# KiCad board ESP32LaserScanner.kicad_pcb
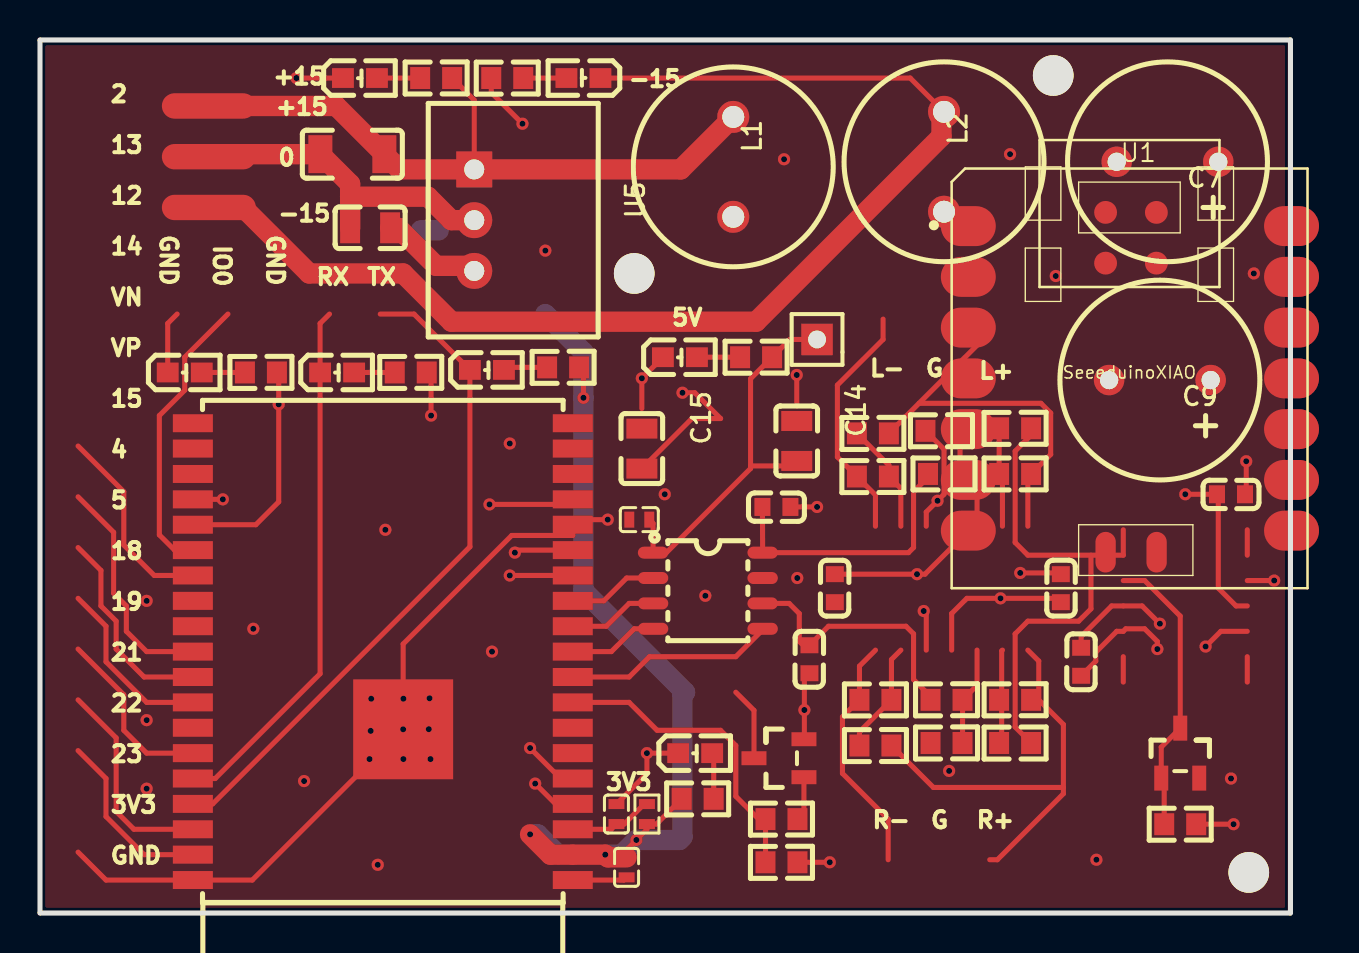
[diagram p0: board, top side]
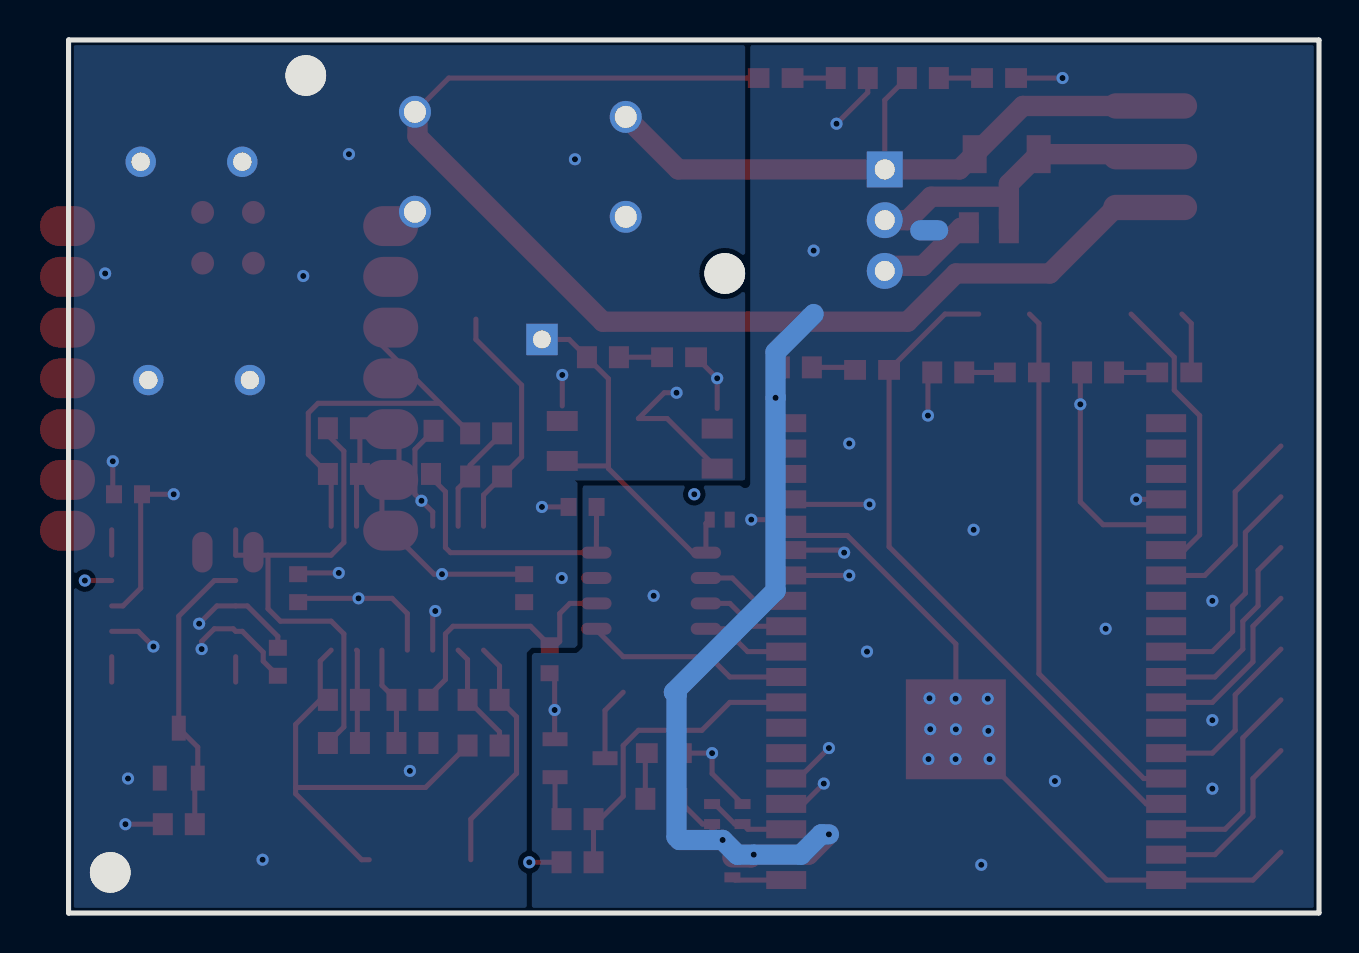
[diagram p1: board, bottom side, seen from below]

Outline 62.53 x 43.69 mm; copper layers: TopLayer, Inner1, Inner2, BottomLayer. Coordinates in mm from the lower left corner of the outline.
Outline path: 0,43.69 62.53,43.69 62.53,0 0,0 0,43.69

## Placement (name value [footprint] x y rotation side)
C1  100nF  [C0402]  29.97 19.69 0 top
C2  100nF  [C0603]  52.07 12.57 90 top
C5  1uF  [C0603]  38.48 12.7 90 top
C6  1uF  [C0603]  36.83 20.32 180 top
C7  1000u  [CAP-D10.0×F5.0]  56.39 37.59 180 top
C8  100nF  [C0603]  59.56 20.95 180 top
C9  1000u  [CAP-D10.0×F5.0]  56.01 26.67 180 top
C10  100nF  [C0402]  28.83 4.95 270 top
C11  10uF  [C0402]  29.34 2.29 270 top
C12  22uF  [C0805]  16.51 34.29 0 top
C13  100nF  [C0603]  51.05 16.26 270 top
C14  10uF  [C0805]  37.85 23.62 270 top
C15  10uF  [C0805]  30.1 23.24 270 top
C17  100nF  [C0603]  39.75 16.26 90 top
C18  10uF  [C1206]  15.62 37.97 0 top
Hole_gge7226  -  [Hole_gge7226]  60.45 2.03 0 top
Hole_gge7231  -  [Hole_gge7231]  50.67 41.91 0 top
Hole_gge7236  -  [Hole_gge7236]  29.72 32 0 top
J2  HDR-M-2.54_1x1  [HDR-M-2.54_1X1]  38.86 28.7 0 top
L1  10m  [IND-TH_BD10.0-P5.00-D0.7]  34.67 37.34 270 top
L2  10m  [IND-TH_BD10.0-P5.00-D0.7]  45.21 37.59 270 top
LED_2  19-213/Y2C-CQ2R2L/3T(CY)  [LED0603-R-RD]  7.24 27.05 0 top
LED_5  19-213/Y2C-CQ2R2L/3T(CY)  [LED0603-R-RD]  32 27.81 0 top
LED_15  19-213/Y2C-CQ2R2L/3T(CY)  [LED0603-R-RD]  16 41.78 0 top
LED_33  19-213/Y2C-CQ2R2L/3T(CY)  [LED0603-R-RD]  32.77 8 0 top
LED_-15  19-213/Y2C-CQ2R2L/3T(CY)  [LED0603-R-RD]  27.18 41.78 180 top
LED_RX1  19-213/Y2C-CQ2R2L/3T(CY)  [LED0603-R-RD]  14.86 27.05 0 top
LED_TX1  19-213/Y2C-CQ2R2L/3T(CY)  [LED0603-R-RD]  22.35 27.18 0 top
Q1  AO3400A  [SOT-23-3_L2.9-W1.6-P1.90-LS2.8-BR#2]  36.96 7.75 0 top
R1  20K  [R0603]  48.77 10.67 0 top
R2  20K  [R0603]  45.34 8.51 0 top
R3  10K  [R0603]  45.34 10.67 0 top
R4  10K  [R0603]  48.77 8.51 180 top
R5  10K  [R0603]  45.21 21.97 0 top
R6  10K  [R0603]  48.77 24.26 180 top
R7  20K  [R0603]  48.77 21.97 0 top
R8  20K  [R0603]  45.08 24.13 0 top
R9  10K  [R0603]  41.65 21.84 180 top
R10  10K  [R0603]  41.65 24 180 top
R11  10K  [R0603]  41.78 10.67 180 top
R12  10K  [R0603]  41.78 8.38 180 top
R13  1M  [R0603]  37.08 2.54 180 top
R14  100  [R0603]  37.08 4.7 0 top
R15  10K  [R0603]  57.02 4.45 0 top
R16  10K  [R0402]  30.35 4.95 270 top
R17  10K  [R0603]  19.81 41.78 0 top
R18  10K  [R0603]  23.37 41.78 180 top
R21  10K  [R0603]  32.89 5.72 180 top
R22  10K  [R0603]  11.05 27.05 0 top
R23  10K  [R0603]  35.81 27.81 0 top
R24  10K  [R0603]  18.54 27.05 0 top
R25  10K  [R0603]  26.16 27.31 0 top
U1  SeeeduinoXIAO  [Seeeduino XIAO-MOUDLE14P-2.54-21X17.8MM]  45.59 16.26 0 top
U3  ADR5040ARTZ-REEL7_C144273  [SOT-23-3_L2.9-W1.6-P1.90-LS2.8-BR]  57.02 8 270 top
U4  MCP4822-E/SN  [SOIC-8_L4.9-W3.9-P1.27-LS6.0-BL]  33.4 16.13 270 top
U5  K7803M-1000R3  [PWRM-TH_K78XXM-1000R3]  21.72 34.67 270 top
U6  ESP32-WROVER-B  [WIFIM-SMD_39P-L31.4-W18.0-P1.27]  17.14 13.08 180 top

## Footprints (pads in the part's own frame, mm; a bottom-side part is the same pattern mirrored in y, then rotated)
C0402
  rect 0.5x0.8 smd: 1(-0.5,0) 2(0.5,0)
C0603
  rect 0.8x0.9 smd: 1(-0.7,0) 2(0.7,0)
C0805
  rect 1x1.55 smd: 1(-1,0) 2(1,0)
C1206
  rect 1.2x1.9 smd: 1(-1.6,0) 2(1.6,0)
CAP-D10.0×F5.0
  oval 1.524x1.524 hole 0.914: 1(-2.54,0) 2(2.54,0)
HDR-M-2.54_1X1
  rect 1.575x1.575 hole 0.889: 1(0,0)
Hole_gge7226
  round 2.032 hole 2.032 unplated: (0,0)
Hole_gge7231
  round 2.032 hole 2.032 unplated: (0,0)
Hole_gge7236
  round 2.032 hole 2.032 unplated: (0,0)
IND-TH_BD10.0-P5.00-D0.7
  oval 1.6x1.6 hole 1.1: 1(-2.5,0) 2(2.5,0)
LED0603-R-RD
  rect 1.092x0.991 smd: 1(0.851,0) 2(-0.851,0)
PWRM-TH_K78XXM-1000R3
  rect 1.8x1.8 hole 1: 1(-2.54,0)
  oval 1.8x1.8 hole 1: 2(0,0) 3(2.54,0)
R0402
  rect 0.5x0.8 smd: 1(-0.5,0) 2(0.5,0)
R0603
  rect 1x1.1 smd: 1(-0.8,0) 2(0.8,0)
Seeeduino XIAO-MOUDLE14P-2.54-21X17.8MM
  oval 2.748x1.999 smd: 1(0.833,18.118) 2(0.833,15.578) 3(0.833,13.038) 4(0.833,10.498) 5(0.833,7.958) 6(0.833,5.418) 7(0.833,2.878) 8(16.998,2.878) 9(16.998,5.418) 10(16.998,7.958) 11(16.998,10.498) 12(16.998,13.038) 13(16.998,15.578) 14(16.998,18.118)
  oval 1.016x2.032 smd: 15(7.7,1.8) 16(10.25,1.8)
  round 1.143 smd: 17(7.699,18.804) 18(10.239,18.804) 19(7.699,16.264) 20(10.239,16.264)
SOIC-8_L4.9-W3.9-P1.27-LS6.0-BL
  oval 0.6x1.52 smd: 1(-1.905,-2.74) 2(-0.635,-2.74) 3(0.635,-2.74) 4(1.905,-2.74) 5(1.905,2.74) 6(0.635,2.74) 7(-0.635,2.74) 8(-1.905,2.74)
SOT-23-3_L2.9-W1.6-P1.90-LS2.8-BR
  rect 1.25x0.7 smd: 1(1.25,-0.95) 2(1.25,0.95) 3(-1.25,0)
SOT-23-3_L2.9-W1.6-P1.90-LS2.8-BR#2
  rect 1.25x0.7 smd: 1(1.25,-0.95) 2(1.25,0.95) 3(-1.25,0)
WIFIM-SMD_39P-L31.4-W18.0-P1.27
  rect 2x0.9 smd: 1(-9.5,11.43) 2(-9.5,10.16) 3(-9.5,8.89) 4(-9.5,7.62) 5(-9.5,6.35) 6(-9.5,5.08) 7(-9.5,3.81) 8(-9.5,2.54) 9(-9.5,1.27) 10(-9.5,0) 11(-9.5,-1.27) 12(-9.5,-2.54) 13(-9.5,-3.81) 14(-9.5,-5.08) 15(-9.5,-6.35) 16(-9.5,-7.62) 17(-9.5,-8.89) 18(-9.5,-10.16) 19(-9.5,-11.43) 20(9.5,-11.43) 21(9.5,-10.16) 22(9.5,-8.89) 23(9.5,-7.62) 24(9.5,-6.35) 25(9.5,-5.08) 26(9.5,-3.81) 27(9.5,-2.54) 28(9.5,-1.27) 29(9.5,0) 30(9.5,1.27) 31(9.5,2.54) 32(9.5,3.81) 33(9.5,5.08) 34(9.5,6.35) 35(9.5,7.62) 36(9.5,8.89) 37(9.5,10.16) 38(9.5,11.43)
  rect 5x5 smd: 39(-1.017,3.887)

## Nets
3.3V: C11.1 C12.2 R16.2 R21.2 R24.2 R25.2 U5.3 U6.2
5V: C1.2 C14.2 J2.1 R23.2 U4.1
+15V: C18.2 L1.1 R17.2 U5.1
-15V: L2.1 LED_-15.2
GND: C1.1 C2.1 C5.1 C6.1 C7.1 C8.1 C9.2 C10.1 C11.2 C12.1 C13.1 C14.1 C15.1 C17.1 C18.1 LED_2.2 LED_5.2 LED_15.2 LED_33.2 Q1.2 R2.1 R8.1 R13.1 R18.2 U3.2 U4.7 U5.2 U6.1 U6.15 U6.38 U6.39
+VCLEAN: C2.2 C9.1 C13.2 C15.2 L1.2 R15.2
-VCLEAN: C7.2 C8.2 C17.2 L2.2
CS: U4.2 U6.12
IO0: U6.25
IO2: R22.2 U6.24
IO4: U6.26
IO5: U6.29
IO12: U6.14
IO13: U6.16
IO14: U6.13
IO15: U6.23
IO18: U6.30
IO19: U6.31
IO21: U6.33
IO22: U6.36
IO23: U6.37
L: C6.2 R5.1 U4.8
L+: R7.2 R10.1
L-: R9.2
LASER-: Q1.3
LDAC: U4.5 U6.9
LED_2_1: LED_2.1 R22.1
LED_5_1: LED_5.1 R23.1
LED_33_1: LED_33.1 R21.1
LED_RX1_1: LED_RX1.1 R24.1
LED_TX1_1: LED_TX1.1 R25.1
LON: R13.2 R14.1 U6.8
R: C5.2 R3.1 U4.6
R1_1: R1.1 R4.2
R2_2: R2.2 R3.2
R5_2: R5.2 R8.2
R6_2: R6.2 R7.1
R9_1: R9.1 R10.2
R11_1: R11.1 R12.2
R14_2: Q1.1 R14.2
R16_1: C10.2 R16.1 U6.3
R17_1: LED_15.1 R17.1
R18_1: LED_-15.1 R18.1
R+: R1.2 R12.1
R-: R11.2
RX: LED_RX1.2 U6.34
SCK: U4.3 U6.11
SDI: U4.4 U6.10
SENSOR_VN: U6.5
SENSOR_VP: U6.4
TX: LED_TX1.2 U6.35
VREF: R15.1 U3.1 U3.3
VREF_B: R4.1 R6.1

Pads without a net: U1 1 2 3 4 5 6 7 8 9 10 11 12 13 14 15 16 17 18 19 20; U6 6 7 17 18 19 20 21 22 27 28 32

## Via types
v1: diameter 0.61, hole 0.305, TopLayer to BottomLayer, 63 vias

## Routing (per net, layer and track width the routed paths; a pad name or vN(x,y) marks a point on that pad's centre or on a via; arc(x,y) is an arc through that point)
3.3V: length 56.8
  TopLayer w0.254: 19.34,27.05 19.56,26.83 v1(19.56,24.89) ; 26.96,27.31 27.18,27.09 v1(27.18,25.78) ; 29.95,3.78 30.35,4.18 R16.2 30.83,4.45 32.09,5.72 ; C11.1 29.34,3.17 v1(29.83,3.66)
  TopLayer w1.016: U5.3 21.46,32.39 19.81,32.39 17.91,34.29 C12.2 ; C11.1 28.4,2.79 v1(28.27,2.92) U6.2 25.53,2.92 v1(24.51,3.94)
  BottomLayer w1.016: 19.05,34.16 19.94,34.16 ; v1(24.51,3.94) 24.89,3.94 25.91,2.92 v1(28.27,2.92) 29.09,2.92 v1(29.83,3.66) 31.98,3.66 32.13,3.81 32.13,10.92 32.26,11.05 27.18,16.13 v1(27.18,25.78) 27.18,28.07 25.27,29.97
  vias: v1(10.67,14.22) v1(13.21,6.6) v1(16.89,2.41) v1(17.27,19.18) v1(22.61,13.08) v1(33.27,15.88)
5V: length 19.3
  TopLayer w0.254: J2.1 37.5,28.7 R23.2 35.54,26.74 35.54,22.25 31.33,18.03 U4.1 30.66,19.5 C1.2 ; 37.85,22.37 35.54,22.37
+15V: length 35.4
  TopLayer w0.254: R17.2 21.72,40.68 U5.1
  TopLayer w1.016: 10.16,40.39 14.81,40.39 C18.2 17.98,37.21 U5.1 32.04,37.21 L1.1
  TopLayer w1.27: 6.73,40.39 10.16,40.39
-15V: length 63.7
  TopLayer w0.254: L2.1 43.52,41.78 LED_-15.2
  TopLayer w1.016: L2.1 45.08,39.96 45.08,38.86 35.81,29.59 20.57,29.59 18.16,32 13.46,32 10.16,35.31
  TopLayer w1.27: 6.73,35.31 10.16,35.31
GND: length 103.2
  TopLayer w0.254: C5.1 38.23,11.75 v1(38.23,10.16) 38.23,8.72 Q1.2 ; C11.2 29.2,1.65 U6.1 ; C8.1 60.33,21.02 v1(60.33,22.61) ; LED_2.2 6.39,29.5 6.86,29.97 ; LED_33.2 v1(30.35,8) 30.35,6.98 C10.1 ; v1(24.13,39.5) 22.57,41.06 R18.2 ; 30.1,25.25 v1(30.1,26.76) LED_5.2 ; v1(58.29,13.34) 59.05,14.1 60.38,14.1 ; v1(44.2,15.11) 44.32,14.99 44.32,13.16 ; 1.91,3.05 3.3,1.65 U6.38 10.62,1.65 v1(18.16,9.19) 18.16,13.46 23.59,18.89 26.64,18.89 U6.15 26.9,19.69 v1(28.39,19.69) ; R13.1 v1(39.5,2.54) ; v1(55.88,13.21) 55.88,13.59 55.24,14.22 54.3,14.22 54.18,14.1 53.85,14.1 52.8,13.05 52.8,12.6 C2.1 ; 51.05,16.96 50.99,17.02 v1(49.02,17.02) ; 44.32,19.36 44.32,20.07 v1(44.89,20.63) 45.21,20.95 45.21,23.2 44.29,24.13 ; LED_15.2 v1(12.83,41.78) ; 37.85,25.38 v1(37.85,26.92) ; 37.53,20.32 v1(38.86,20.32) ; 60.38,16.64 v1(61.72,16.64)
  TopLayer w1.016: C12.1 15.51,36.48 C18.1 10.29,37.97 10.16,37.85 ; U5.2 20.57,34.67 19.4,35.84 15.51,35.84
  TopLayer w1.27: 6.73,37.85 10.16,37.85
  vias: v1(5.33,15.62) v1(5.33,9.65) v1(5.33,6.22) v1(16.57,10.72) v1(16.54,9.12) v1(16.48,7.7) v1(18.17,10.72) v1(18.17,7.7) v1(19.44,9.2) v1(19.48,10.75) v1(19.53,7.7) v1(23.49,23.5) v1(25.27,33.15) v1(31.24,20.95) v1(37.21,37.72) v1(37.87,16.76) v1(45.47,7.11) v1(48.51,37.97) v1(59.56,6.73)
(no net): length 3.8
  TopLayer w0.254: 60.38,19.18 60.38,17.91 ; 60.38,12.83 60.38,11.56 ; 54.18,12.83 54.18,11.56
+VCLEAN: length 22.6
  TopLayer w0.254: 57.82,4.45 v1(59.69,4.45) ; 56.01,14.35 v1(56.01,14.48) 55.12,15.37 53.59,15.37 52.07,13.84 C2.2 ; C15.2 32.6,24.74 34.04,24.74 32.75,26.03 v1(32.13,26.03) ; C13.2 50.86,15.75 v1(48.04,15.75) 46.36,15.75 45.59,14.99 45.59,13.16
-VCLEAN: length 15.6
  TopLayer w0.254: v1(57.28,20.95) C8.2 58.93,20.89 58.93,16.26 59.82,15.37 60.38,15.37 ; 45.59,19.36 45.59,18.29 44.26,16.96 v1(43.86,16.96) 39.75,16.96
  vias: v1(50.8,31.88) v1(52.83,2.67) v1(60.71,32)
CS: length 4.5
  TopLayer w0.254: U6.12 28.19,15.62 29.34,16.76 U4.2
IO0: length 14.5
  TopLayer w0.254: 9.4,29.97 7.24,27.81 7.24,26.16 5.97,24.89 5.97,18.92 6.73,18.16 U6.25
IO2: length 31.7
  TopLayer w0.254: U6.24 10.8,19.43 11.94,20.57 v1(11.94,25.46) 11.94,26.96 R22.2
  Inner2 w0.254: v1(11.94,25.46) 10.85,26.54 10.8,26.54 10.8,30.1 9.53,31.37 8.64,31.37 5.21,34.8 5.21,37.72 1.91,41.02 1.91,41.15
IO4: length 10
  TopLayer w0.254: 1.91,23.37 4.19,21.08 4.19,18.42 5.72,16.89 U6.26
IO5: length 11.5
  TopLayer w0.254: U6.29 5.33,13.08 4.32,14.1 4.32,15.37 3.68,16 3.68,19.05 1.91,20.83
IO12: length 34.2
  TopLayer w0.254: v1(23.75,18.03) 23.88,18.16 U6.14
  Inner2 w0.254: v1(23.75,18.03) 16.64,18.03 5.21,29.46 5.21,32.64 1.91,35.94 1.91,36.07
IO13: length 35.1
  TopLayer w0.254: v1(22.48,20.45) 26.39,20.45 U6.16
  Inner2 w0.254: 1.91,38.61 1.91,38.48 4.57,35.81 4.57,34.29 8.25,30.61 8.25,27.56 15.37,20.45 v1(22.48,20.45)
IO14: length 32.4
  TopLayer w0.254: U6.13 v1(23.49,16.89)
  Inner2 w0.254: v1(23.49,16.89) 17.14,16.89 4.57,29.46 4.57,30.73 1.91,33.4 1.91,33.53
IO15: length 10.9
  TopLayer w0.254: v1(9.14,20.7) U6.23
  Inner2 w0.254: v1(9.14,20.7) 3.94,25.91 1.91,25.91
IO18: length 10.3
  TopLayer w0.254: U6.30 5.21,11.81 3.81,13.21 3.81,14.61 3.05,15.37 3.05,17.14 1.91,18.29
IO19: length 8.9
  TopLayer w0.254: U6.31 5.33,10.54 3.3,12.57 3.3,14.35 1.91,15.75
IO21: length 8.9
  TopLayer w0.254: 1.91,13.21 4.19,10.92 4.19,9.14 5.33,8 U6.33
IO22: length 10.6
  TopLayer w0.254: U6.36 4.7,4.19 3.81,5.08 3.81,8.76 1.91,10.67
IO23: length 9
  TopLayer w0.254: 1.91,8.13 3.3,6.73 3.3,4.83 5.21,2.92 U6.37
L: length 13.9
  TopLayer w0.254: R5.1 44.41,21.8 43.69,21.08 43.69,18.29 43.43,18.03 U4.8 36.13,20.32
L+: length 20.6
  TopLayer w0.254: R10.1 47.24,28.79 47.24,29.72 ; 49.4,19.36 49.4,21.81 R7.2 50.55,22.95 50.55,25.02 50.06,25.51 43.96,25.51
L-: length 12.1
  TopLayer w0.254: 42.16,29.72 42.16,28.7 39.88,26.42 39.88,22.82 41.78,20.92 41.78,19.36
LASER-: length 3.7
  TopLayer w0.254: Q1.3 35.71,10.14 34.8,11.05
LDAC: length 10.5
  TopLayer w0.254: U4.5 36.14,14.17 34.8,12.83 30.48,12.83 29.46,11.81 U6.9
LED_2_1: length 2.2
  TopLayer w0.254: R22.1 LED_2.1
LED_5_1: length 2.2
  TopLayer w0.254: LED_5.1 35.01,27.81
LED_33_1: length 2.3
  TopLayer w0.254: 33.69,5.72 33.69,7.92 LED_33.1
LED_RX1_1: length 2
  TopLayer w0.254: LED_RX1.1 R24.1
LED_TX1_1: length 2.2
  TopLayer w0.254: LED_TX1.1 23.33,27.31 25.36,27.31
LON: length 15.7
  TopLayer w0.254: 36.28,4.7 35.94,4.7 34.8,5.84 34.8,8.38 34.04,9.14 30.86,9.14 29.46,10.54 U6.8 ; R14.1 36.28,2.54
R: length 13
  TopLayer w0.254: 38.08,13.48 37.97,13.59 37.97,14.99 37.46,15.49 U4.6 ; 44.54,10.67 44.54,10.83 43.69,11.68 43.69,13.97 43.31,14.35 39.43,14.35 38.48,13.4
R1_1: length 4.7
  TopLayer w0.254: 48.13,13.16 48.1,13.12 48.1,10.67 48.1,8.51
R2_2: length 4.9
  TopLayer w0.254: 46.86,13.16 46.86,11.39 46.14,10.67 46.14,8.51
R5_2: length 5.2
  TopLayer w0.254: 45.88,24.13 46.01,24 R5.2 46.86,21.12 46.86,19.36
R6_2: length 5
  TopLayer w0.254: 48.13,19.36 48.13,21.81 R7.1 47.97,24.26
R9_1: length 5.6
  TopLayer w0.254: 43.05,19.36 43.05,21.25 R9.1 42.46,22.4 40.86,24
R11_1: length 5.6
  TopLayer w0.254: 40.98,8.38 40.98,9.07 42.58,10.67 42.58,12.69 43.05,13.16
R14_2: length 2.2
  TopLayer w0.254: R14.2 38.21,5.02 Q1.1
R16_1: length 4.2
  TopLayer w0.254: R16.1 30.22,5.45 29.22,4.45 C10.2 28.57,4.19 U6.3
R17_1: length 2.2
  TopLayer w0.254: LED_15.1 R17.1
R18_1: length 2.2
  TopLayer w0.254: R18.1 LED_-15.1
R+: length 22.4
  TopLayer w0.254: 42.58,8.38 44.68,6.28 51.18,6.28 ; 49.4,13.16 49.95,12.61 49.95,10.67 51.18,9.44 51.18,5.97 47.88,2.67 47.5,2.67
R-: length 12.1
  TopLayer w0.254: 42.42,2.67 42.42,4.7 40.13,6.98 40.13,9.82 40.98,10.67 40.98,12.36 41.78,13.16
RX: length 26.7
  TopLayer w0.254: 14.48,29.97 14.01,29.5 LED_RX1.2 14.01,11.98 8.76,6.73 U6.34
SCK: length 4.5
  TopLayer w0.254: U4.3 29.46,15.49 28.32,14.35 U6.11
SDI: length 4.5
  TopLayer w0.254: U4.4 29.72,14.22 28.58,13.08 U6.10
SENSOR_VN: length 34.9
  TopLayer w0.254: v1(24.51,8.25) 26.04,6.73 U6.5
  Inner2 w0.254: 1.91,30.99 1.91,30.86 v1(24.51,8.25)
SENSOR_VP: length 34.3
  TopLayer w0.254: U6.4 25.78,5.46 v1(24.77,6.48)
  Inner2 w0.254: 1.91,28.45 2.79,28.45 v1(24.77,6.48)
TX: length 34.1
  TopLayer w0.254: LED_TX1.2 21.5,18.33 8.64,5.46 U6.35 ; LED_TX1.2 21.08,27.18 ; LED_TX1.2 18.71,29.97 17.02,29.97
VREF: length 14
  TopLayer w0.254: 56.07,7.16 56.07,8.3 U3.3 57.02,14.86 55.24,16.64 54.18,16.64 ; R15.1 56.22,6.6 U3.1
VREF_B: length 25.8
  TopLayer w0.254: R6.1 49.57,23.91 48.77,23.11 48.77,18.54 49.4,17.91 54.18,17.91 54.18,19.18 ; 52.56,17.91 52.56,15.22 51.94,14.61 49.4,14.61 48.77,13.97 48.77,9.31 R4.1

## Copper pours and planes (outline as drawn; the poured copper is in the pictures)
3.3V on BottomLayer: -3.94,45.47 -3.56,45.09 30.99,45.09 45.08,30.99 45.08,-6.48 43.05,-4.45 -2.79,-4.45
GND on TopLayer: -5.33,49.91 67.95,49.91 67.95,-5.08 67.18,-5.84 -5.33,-5.84 -5.84,-5.33
GND on Inner1: -5.84,47.62 -5.08,48.39 66.29,48.39 66.42,48.26 66.42,-4.32 66.29,-4.45 -8.89,-4.45
GND on Inner2: -4.19,46.23 35.81,46.23 41.27,6.98 43.56,-2.54 -3.05,-2.54 -3.81,-1.78
+VCLEAN on Inner2: 65.79,-0.89 65.66,-0.76 65.66,49.53 64.9,48.77 28.7,48.77 28.7,21.59 28.83,21.72 37.21,21.72 37.08,21.59 37.08,13.46 37.21,13.34 39.37,13.34 39.62,13.08 39.62,-0.76
-VCLEAN on BottomLayer: 65.79,-0.95 65.66,-0.83 65.66,49.47 64.9,48.7 28.7,48.7 28.7,21.53 28.83,21.65 37.21,21.65 37.08,21.53 37.08,13.4 37.21,13.27 39.37,13.27 39.62,13.02 39.62,-0.83

## Text on the board
TopSilkLayer: 2 | 13 | 12 | 14 | VN | VP | 15 | 4 | 5 | 18 | 19 | 21 | 22 | 23 | 3V3 | GND | +15 | 0 | -15 | RX | TX | 5V | L- | R- | G | R+ | L+ | IO0
